# KiCad board main_display_board.kicad_pcb (continued)
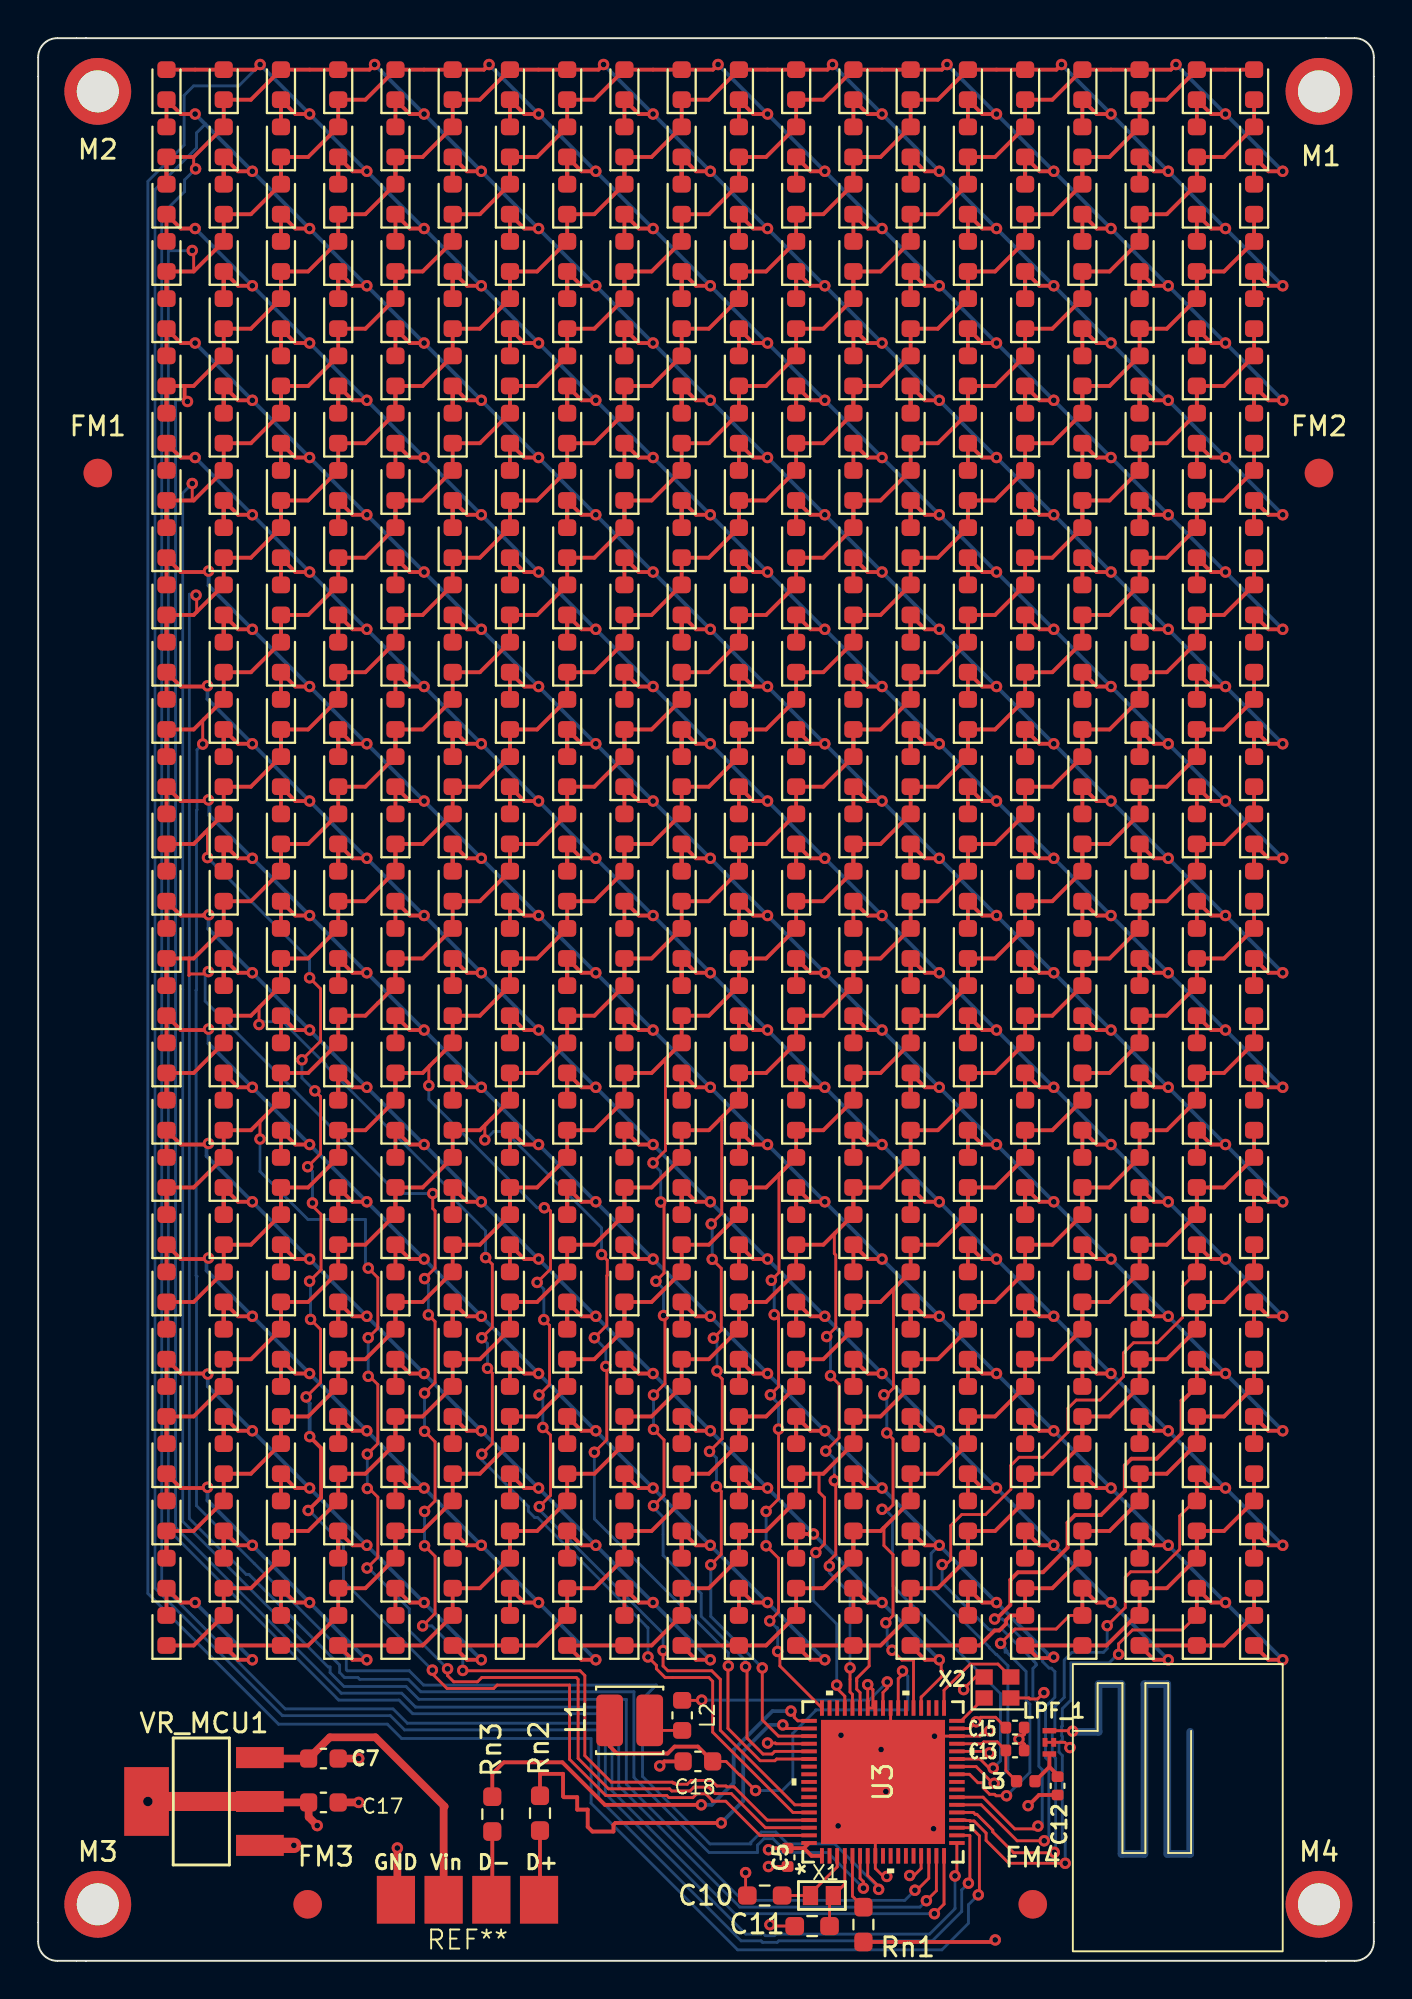
[diagram p0: board, top side]
## Routing (per net, layer and track width the routed paths; a pad name or vN(x,y) marks a point on that pad's centre or on a via; arc(x,y) is an arc through that point)
/3.3V_PHONE: length 31.7
  Top w0.15: v1(43.47,14.47) 43.72,14.22 43.75,14.22 43.75,13.38 U3.44 U3.45 v1(43.47,14.47) ; v1(43.47,14.47) 43.52,14.52 ; v1(45.68,4.47) 45.91,4.47 46.27,4.84 U3.14 ; v1(49.85,10.9) 49.6,10.9 49.52,10.97 U3.30 ; U3.33 48.81,12.17 v1(49.16,12.53) 49.4,12.76 50.17,12.76 C15.2 ; v1(38.23,11.41) 38.63,11.41 38.67,11.37 U3.55
  Top w0.2: 41.07,5.5 40.53,5.5 40.13,5.9 ; Rn1.1 50.1,0.99 50.12,0.96 ; 40.13,5.9 40.4,6.17 ; 40.13,5.9 C5.1 38.35,5.9 v1(38.27,5.82)
  Top w0.4: v1(14.62,7.09) 14.17,7.54 C17.1 11.67,8.3 VR_MCU1.2
  Top w1: VR_MCU1.2 v2(5.75,8.35) VR_MCU1.4
  vias: v1(50.16,1.1)
GND: length 36
  Top w0.15: LPF_1.2 LPF_1.4 53.8,11.45 v1(54.07,11.18) ; U3.69 46.68,11.78 U3.32 49.38,11.78 ; U3.69 44.67,9.77 U3.42 ; U3.69 43.88,8.98 U3.8 43.88,4.84 44.29,4.42 44.62,4.42 ; v1(52.71,14.05) 52.38,13.72 51.98,13.72 51.92,13.78 X2.2 ; 48.48,14.22 49.13,14.88 X2.4 ; 38.2,4.94 v1(38.27,4.94) C5.2 ; v1(38.35,1.89) 38.42,1.82 C11.2 ; v1(37.07,4.62) 37.07,3.51 C10.2
  Top w0.2: C13.2 51.68,11.34 v1(51.4,11.61) 51.68,11.89 C15.1 ; C12.2 52.45,8.69 51.87,8.11 ; C18.2 32.81,10.45 v1(32.57,10.21) ; v1(49.86,12.05) 49.6,12.05 49.35,11.8 ; 18.82,3.22 18.8,3.2
  Top w0.4: 15.73,10.6 v1(16.8,10.6) ; 18.8,5.84 18.82,5.86 ; 18.8,5.89 v1(18.82,5.91) 18.82,3.28 REF**.1 ; 15.73,8.3 v1(16.8,8.3)
  Top w0.8: VR_MCU1.1 v1(13.4,6.05)
  vias: v1(41.93,7.07) v1(42.07,11.82) v1(44.18,11.07) v1(44.43,8.87) v1(44.48,4.42) v1(46.98,11.77) v1(46.93,6.92) v1(48.5,14.21) v1(51.88,8.13)
/ANTENNA: length 42.9
  Top w0.15: v1(54.22,12.03) 54.19,12.06 LPF_1.3
  Bottom w0.4: 60.37,12 60.37,5.6 59.18,5.6 59.18,14.5 57.98,14.5 57.98,5.6 56.77,5.6 56.77,14.5 55.57,14.5 55.57,12 54.27,12
/HSE_IN: length 5.3
  Top w0.15: X2.3 50.3,15.55 48.85,15.55 47.47,14.18 U3.35
/HSE_OUT: length 1.9
  Top w0.15: X2.1 48.37,12.57 U3.34
/LSE_IN: length 4.1
  Top w0.15: U3.3 41.87,4.92 40.48,3.52 X1.2 C10.1
/LSE_OUT: length 4
  Top w0.15: U3.4 42.27,4.02 X1.1 41.48,3.22 C11.1
/Matching_Network: length 2.4
  Top w0.2: 53,10.16 53.43,9.74 C12.1 ; 53,10.16 L3.2 ; 53,10.16 LPF_1.1
/RF1: length 4.6
  Top w0.15: L3.1 50.71,9.97 C13.1 50.27,11.47 49.56,11.47 49.46,11.37 U3.31
/SMPSFB: length 26.6
  Top w0.15: v1(45.3,15.19) 45.3,15.01 45.08,14.78 U3.41 ; v1(37.6,8.92) 36.77,9.75 36.75,9.75 36.05,10.45 C18.1 ; 29.48,11.62 29.48,12.6
  Top w0.2: C18.1 34.57,11.23 33.35,11.23 32.99,10.86 30.34,10.86 29.95,11.25 L1.2
  Bottom w0.15: v1(37.6,8.92) 39,8.92 39.55,9.47 39.55,11.92 40.75,13.12 40.75,13.15 45.57,13.15 45.57,14.91 v1(45.3,15.19)
/SMPSLX: length 12.8
  Top w0.15: v1(44.5,14.61) 44.5,14.29 44.27,14.06 U3.43 ; L2.1 34.76,13.65 v1(34.77,13.66)
  Bottom w0.15: v1(34.77,13.66) 43.55,13.66 v1(44.5,14.61) 44.27,14.61
/SMPSLXL: length 1.9
  Top w0.15: L1.1 32.57,12.08 L2.2
/USB_BOOT0: length 2.9
  Top w0.15: U3.5 42.68,3.39 Rn1.2
/USB_M_IN_5V: length 16.6
  Top w0.4: REF**.2 21.25,8.04 21.3,8.09 17.67,11.71 15.29,11.71 C7.1 11.67,10.6 VR_MCU1.3
LED_0: length 247.5
  Top w0.15: 46.05,3.7 46.68,4.33 U3.15 ; v1(8.07,77.41) 8.07,76.6 8.15,76.53
  Top w0.2: v1(62.23,72.78) 61.48,72.78 REF**199.1 REF**197.2 ; REF**152.2 51.73,82.56 REF**152.2 ; REF**152.2 REF**110.1 52.48,81.78 v1(53.23,81.78) ; REF**108.2 45.73,88.56 REF**108.2 ; REF**108.2 REF**66.1 46.48,87.78 v1(47.23,87.78) ; REF**153.2 REF**155.1 55.48,78.78 v1(56.23,78.78) ; v1(35.63,99.37) 35.36,99.1 REF**20.2 REF**19.2 29.15,97.53 REF**16.1 REF**14.2 26.15,94.53 REF**13.1 REF**55.2 ; REF**196.2 57.73,76.56 REF**196.2 ; REF**196.2 REF**154.1 58.48,75.78 v1(59.23,75.78) ; REF**65.2 REF**67.1 43.48,90.78 v1(44.23,90.78) ; v1(65.22,69.78) 64.47,69.78 REF**198.1 REF**240.2 ; REF**55.2 23.15,91.53 REF**52.1 REF**50.2 20.15,88.53 REF**49.1 REF**91.2 ; REF**55.2 24.73,94.56 ; REF**21.2 REF**23.1 37.48,96.78 v1(38.23,96.78) ; REF**64.2 39.73,94.56 REF**64.2 ; REF**64.2 REF**22.1 40.48,93.78 v1(41.23,93.78) ; REF**127.2 11.15,79.53 REF**124.1 REF**122.2 8.15,76.53 REF**121.1 REF**163.2 6.73,76.56 ; REF**127.2 12.73,82.56 ; REF**127.2 REF**85.1 14.15,82.53 REF**86.2 REF**88.1 17.15,85.53 REF**91.2 ; REF**91.2 18.73,88.56 ; v1(50.23,84.78) 49.48,84.78 REF**111.1 REF**109.2 ; REF**240.2 63.73,70.56 REF**240.2
  Bottom w0.15: v1(8.07,77.41) 7.57,76.91 7.57,50.91 7.57,23.03 15.2,15.4 15.3,15.4 15.3,15.11 16.03,14.38 19.28,14.38 19.95,13.7 30.82,13.7 30.82,9.26 36.91,3.17 45.42,3.17 v1(45.95,3.7)
  Bottom w0.2: v1(65.22,69.78) v1(62.23,72.78) v1(59.23,75.78) v1(56.23,78.78) v1(53.23,81.78) v1(50.23,84.78) v1(47.23,87.78) v1(44.23,90.78) v1(41.23,93.78) v1(38.23,96.78) v1(35.63,99.37)
LED_1: length 260
  Top w0.15: U3.16 47.07,3.67 v1(46.55,3.15)
  Top w0.2: REF**148.2 45.73,82.56 REF**148.2 ; REF**148.2 REF**106.1 46.48,81.78 v1(47.23,81.78) ; REF**87.2 REF**45.1 14.15,88.53 REF**46.2 REF**48.1 17.15,91.53 REF**51.2 ; REF**87.2 11.15,85.53 REF**84.1 REF**82.2 8.15,82.53 7.67,82.53 ; REF**87.2 12.73,88.56 ; v1(32.23,96.78) 31.48,96.78 REF**19.1 REF**17.2 ; REF**280.2 REF**238.1 64.47,63.78 v1(65.22,63.78) ; REF**280.2 63.73,64.56 REF**280.2 ; REF**280.2 63.74,63.11 ; REF**192.2 51.73,76.56 REF**192.2 ; REF**192.2 REF**150.1 52.48,75.78 v1(53.23,75.78) ; REF**51.2 18.73,94.56 ; REF**51.2 REF**9.1 20.15,94.53 REF**10.2 REF**12.1 23.15,97.53 REF**15.2 REF**16.2 29.36,99.1 v1(29.63,99.37) ; v1(7.82,81.71) 7.67,81.86 7.67,82.53 ; REF**236.2 REF**194.1 58.48,69.78 v1(59.23,69.78) ; REF**236.2 57.73,70.56 REF**236.2 ; REF**149.2 REF**151.1 49.48,78.78 v1(50.23,78.78) ; 6.73,82.56 REF**123.2 REF**81.1 7.67,82.53 ; v1(62.23,66.78) 61.48,66.78 REF**239.1 REF**237.2 ; REF**105.2 REF**107.1 43.48,84.78 v1(44.23,84.78) ; REF**61.2 REF**63.1 37.48,90.78 v1(38.23,90.78) ; REF**104.2 REF**62.1 40.48,87.78 v1(41.23,87.78) ; REF**104.2 39.73,88.56 REF**104.2 ; REF**60.2 33.73,94.56 REF**60.2 ; REF**60.2 REF**18.1 34.48,93.78 v1(35.23,93.78) ; v1(56.23,72.78) 55.48,72.78 REF**195.1 REF**193.2
  Bottom w0.15: 7.2,81.81 7.2,22.71 15.89,14.03 19.05,14.03 19.78,13.3 30.43,13.3 30.43,9.16 36.77,2.82 46.22,2.82 v1(46.55,3.15)
  Bottom w0.2: v1(65.22,63.78) v1(62.23,66.78) v1(59.23,69.78) v1(56.23,72.78) v1(53.23,75.78) v1(50.23,78.78) v1(47.23,81.78) v1(44.23,84.78) v1(41.23,87.78) v1(38.23,90.78) v1(35.23,93.78) v1(32.23,96.78) v1(29.63,99.37) ; 7.2,81.81 7.73,81.81 v1(7.82,81.71)
LED_2: length 276.4
  Top w0.15: v1(8.07,89.62) 8.15,89.55 8.15,88.53 ; U3.17 47.47,2.97 v1(46.97,2.47)
  Top w0.2: v1(32.23,90.78) 31.48,90.78 REF**59.1 REF**57.2 ; REF**320.2 63.73,58.56 REF**320.2 ; REF**320.2 REF**278.1 64.47,57.78 v1(65.22,57.78) ; v1(44.23,78.78) 43.48,78.78 REF**147.1 REF**145.2 ; REF**56.2 27.73,94.56 REF**56.2 ; REF**56.2 REF**14.1 28.48,93.78 v1(29.23,93.78) ; REF**47.2 REF**5.1 14.15,94.53 REF**6.2 REF**8.1 17.15,97.53 REF**11.2 REF**12.2 23.36,99.1 v1(23.63,99.37) ; REF**47.2 12.73,94.56 ; REF**47.2 11.15,91.53 REF**44.1 REF**42.2 8.15,88.53 REF**41.1 REF**83.2 6.73,88.56 ; REF**100.2 REF**58.1 34.48,87.78 v1(35.23,87.78) ; REF**100.2 33.73,88.56 REF**100.2 ; REF**232.2 REF**190.1 52.48,69.78 v1(53.23,69.78) ; REF**232.2 51.73,70.56 REF**232.2 ; REF**144.2 39.73,82.56 REF**144.2 ; REF**144.2 REF**102.1 40.48,81.78 v1(41.23,81.78) ; REF**277.2 REF**279.1 61.48,60.78 v1(62.23,60.78) ; v1(26.23,96.78) 25.48,96.78 REF**15.1 REF**13.2 ; REF**189.2 REF**191.1 49.48,72.78 v1(50.23,72.78) ; REF**188.2 45.73,76.56 REF**188.2 ; REF**188.2 REF**146.1 46.48,75.78 v1(47.23,75.78) ; REF**276.2 57.73,64.56 REF**276.2 ; REF**276.2 REF**234.1 58.48,63.78 v1(59.23,63.78) ; REF**101.2 REF**103.1 37.48,84.78 v1(38.23,84.78) ; v1(56.23,66.78) 55.48,66.78 REF**235.1 REF**233.2
  Bottom w0.15: 8.1,89.65 v1(8.07,89.62) 8.06,89.61 6.82,89.61 6.82,22.59 15.75,13.66 18.91,13.66 19.63,12.95 30.07,12.95 30.07,8.91 36.52,2.47 v1(46.97,2.47)
  Bottom w0.2: v1(65.22,57.78) v1(62.23,60.78) v1(59.23,63.78) v1(56.23,66.78) v1(53.23,69.78) v1(50.23,72.78) v1(47.23,75.78) v1(44.23,78.78) v1(41.23,81.78) v1(38.23,84.78) v1(35.23,87.78) v1(32.23,90.78) v1(29.23,93.78) v1(26.23,96.78) v1(23.63,99.37)
LED_3: length 290.2
  Top w0.15: v1(8.25,93.9) 8.15,94 8.15,94.53 ; v1(48.05,4.45) 48.15,4.55 U3.18
  Top w0.2: v1(53.23,63.78) 52.48,63.78 REF**230.1 REF**272.2 ; v1(41.23,75.78) 40.48,75.78 REF**142.1 REF**184.2 ; v1(20.23,96.78) 19.48,96.78 REF**11.1 REF**9.2 ; REF**360.2 63.73,52.56 REF**360.2 ; REF**360.2 REF**318.1 64.47,51.78 v1(65.22,51.78) ; REF**52.2 21.73,94.56 REF**52.2 ; REF**52.2 REF**10.1 22.48,93.78 v1(23.23,93.78) ; REF**96.2 27.73,88.56 REF**96.2 ; REF**96.2 REF**54.1 28.48,87.78 v1(29.23,87.78) ; v1(35.23,81.78) 34.48,81.78 REF**98.1 REF**140.2 ; REF**185.2 REF**187.1 43.48,72.78 v1(44.23,72.78) ; REF**141.2 REF**143.1 37.48,78.78 v1(38.23,78.78) ; REF**272.2 51.73,64.56 REF**272.2 ; REF**316.2 57.73,58.56 REF**316.2 ; REF**316.2 REF**274.1 58.48,57.78 v1(59.23,57.78) ; REF**140.2 33.73,82.56 REF**140.2 ; REF**184.2 39.73,76.56 REF**184.2 ; v1(56.23,60.78) 55.48,60.78 REF**275.1 REF**273.2 ; v1(50.23,66.78) 49.48,66.78 REF**231.1 REF**229.2 ; REF**53.2 REF**55.1 25.48,90.78 v1(26.23,90.78) ; REF**97.2 REF**99.1 31.48,84.78 v1(32.23,84.78) ; REF**228.2 45.73,70.56 REF**228.2 ; REF**228.2 REF**186.1 46.48,69.78 v1(47.23,69.78) ; 6.73,94.56 REF**43.2 REF**1.1 8.15,94.53 REF**2.2 REF**4.1 11.15,97.53 REF**7.2 REF**8.2 17.36,99.1 v1(17.63,99.37) ; REF**317.2 REF**319.1 61.48,54.78 v1(62.23,54.78)
  Bottom w0.15: v1(48.05,4.45) 48.05,2.73 46.72,1.4 38.67,1.4 38.59,1.32 38.11,1.32 37.96,1.47 37.88,1.4 37.09,1.4 29.73,8.76 29.73,12.45 19.35,12.45 18.6,13.2 12.95,13.2 6.47,19.68 6.47,91.51 7.67,92.71 7.67,93.33 v1(8.25,93.9)
  Bottom w0.2: v1(65.22,51.78) v1(62.23,54.78) v1(59.23,57.78) v1(56.23,60.78) v1(53.23,63.78) v1(50.23,66.78) v1(47.23,69.78) v1(44.23,72.78) v1(41.23,75.78) v1(38.23,78.78) v1(35.23,81.78) v1(32.23,84.78) v1(29.23,87.78) v1(26.23,90.78) v1(23.23,93.78) v1(20.23,96.78) v1(17.63,99.37)
LED_4: length 310.1
  Top w0.15: U3.19 48.81,6.58 48.83,6.55 48.83,4.14 v1(48.75,4.07)
  Top w0.2: REF**176.2 REF**134.1 28.48,75.78 v1(29.23,75.78) ; REF**176.2 27.73,76.56 REF**176.2 ; v1(50.23,54.78) 49.48,54.78 REF**311.1 REF**309.2 ; REF**221.2 REF**223.1 37.48,66.78 v1(38.23,66.78) ; v1(26.23,78.78) 25.48,78.78 REF**135.1 REF**133.2 ; REF**352.2 51.73,52.56 REF**352.2 ; REF**352.2 REF**310.1 52.48,51.78 v1(53.23,51.78) ; REF**265.2 REF**267.1 43.48,60.78 v1(44.23,60.78) ; REF**88.2 15.73,88.56 REF**88.2 ; REF**88.2 REF**46.1 16.48,87.78 v1(17.23,87.78) ; REF**45.2 REF**47.1 13.48,90.78 v1(14.23,90.78) ; REF**396.2 57.73,46.56 REF**396.2 ; REF**396.2 REF**354.1 58.48,45.78 v1(59.23,45.78) ; v1(41.23,63.78) 40.48,63.78 REF**222.1 REF**264.2 ; REF**177.2 REF**179.1 31.48,72.78 v1(32.23,72.78) ; REF**44.2 9.73,94.56 REF**44.2 ; REF**44.2 REF**2.1 10.48,93.78 v1(11.23,93.78) ; v1(23.23,81.78) 22.48,81.78 REF**90.1 REF**132.2 ; REF**440.2 63.73,40.56 REF**440.2 ; REF**440.2 REF**398.1 64.47,39.78 v1(65.22,39.78) ; REF**264.2 39.73,64.56 REF**264.2 ; v1(20.23,84.78) 19.48,84.78 REF**91.1 REF**89.2 ; REF**220.2 33.73,70.56 REF**220.2 ; REF**220.2 REF**178.1 34.48,69.78 v1(35.23,69.78) ; REF**308.2 45.73,58.56 REF**308.2 ; REF**308.2 REF**266.1 46.48,57.78 v1(47.23,57.78) ; REF**1.2 REF**3.1 7.48,96.78 v1(8.23,96.78) ; v1(62.23,42.78) 61.48,42.78 REF**399.1 REF**397.2 ; v1(56.23,48.78) 55.48,48.78 REF**355.1 REF**353.2 ; REF**132.2 21.73,82.56 REF**132.2
  Bottom w0.15: v1(48.75,4.07) 48.4,3.72 48.4,2.59 46.86,1.05 38.81,1.05 38.73,0.97 37.97,0.97 37.88,1.05 36.84,1.05 29.37,8.51 29.37,12.1 19.2,12.1 18.45,12.85 12.8,12.85 6.12,19.53 6.12,92.82 8.3,95 8.3,95.79 8.76,96.24 ; 8.3,96.7 v1(8.23,96.78)
  Bottom w0.2: v1(65.22,39.78) v1(62.23,42.78) v1(59.23,45.78) v1(56.23,48.78) v1(53.23,51.78) v1(50.23,54.78) v1(47.23,57.78) v1(44.23,60.78) v1(41.23,63.78) v1(38.23,66.78) v1(35.23,69.78) v1(32.23,72.78) v1(29.23,75.78) v1(26.23,78.78) v1(23.23,81.78) v1(20.23,84.78) v1(17.23,87.78) v1(14.23,90.78) v1(11.23,93.78) v1(8.23,96.78)
LED_5: length 308.8
  Top w0.15: v1(49.27,3.46) 49.33,3.52 49.33,6.55 48.9,6.97 U3.20
  Top w0.2: v1(14.23,96.78) 13.48,96.78 REF**7.1 REF**5.2 ; REF**400.2 63.73,46.56 REF**400.2 ; REF**400.2 REF**358.1 64.47,45.78 v1(65.22,45.78) ; REF**180.2 33.73,76.56 REF**180.2 ; REF**180.2 REF**138.1 34.48,75.78 v1(35.23,75.78) ; REF**48.2 REF**6.1 16.48,93.78 v1(17.23,93.78) ; REF**48.2 15.73,94.56 REF**48.2 ; REF**312.2 51.73,58.56 REF**312.2 ; REF**312.2 REF**270.1 52.48,57.78 v1(53.23,57.78) ; v1(62.23,48.78) 61.48,48.78 REF**359.1 REF**357.2 ; v1(38.23,72.78) 37.48,72.78 REF**183.1 REF**181.2 ; v1(32.23,78.78) 31.48,78.78 REF**139.1 REF**137.2 ; v1(47.23,63.78) 46.48,63.78 REF**226.1 REF**268.2 ; REF**225.2 REF**227.1 43.48,66.78 v1(44.23,66.78) ; REF**93.2 REF**95.1 25.48,84.78 v1(26.23,84.78) ; REF**92.2 21.73,88.56 REF**92.2 ; REF**92.2 REF**50.1 22.48,87.78 v1(23.23,87.78) ; REF**3.2 REF**4.2 11.36,99.1 v1(11.63,99.37) ; REF**224.2 39.73,70.56 REF**224.2 ; REF**224.2 REF**182.1 40.48,69.78 v1(41.23,69.78) ; REF**356.2 REF**314.1 58.48,51.78 v1(59.23,51.78) ; REF**356.2 57.73,52.56 REF**356.2 ; v1(56.23,54.78) 55.48,54.78 REF**315.1 REF**313.2 ; REF**136.2 REF**94.1 28.48,81.78 v1(29.23,81.78) ; REF**136.2 27.73,82.56 REF**136.2 ; v1(50.23,60.78) 49.48,60.78 REF**271.1 REF**269.2 ; v1(20.23,90.78) 19.48,90.78 REF**51.1 REF**49.2 ; REF**268.2 45.73,64.56 REF**268.2
  Bottom w0.15: v1(11.63,99.37) 10.51,98.25 8.15,98.25 7.65,97.75 7.65,95.15 5.75,93.25 5.75,19.25 12.6,12.4 18.3,12.4 19.05,11.65 28.98,11.65 28.98,8.26 36.66,0.58 47.36,0.58 48.75,1.97 48.75,2.94 v1(49.27,3.46)
  Bottom w0.2: v1(65.22,45.78) v1(62.23,48.78) v1(59.23,51.78) v1(56.23,54.78) v1(53.23,57.78) v1(50.23,60.78) v1(47.23,63.78) v1(44.23,66.78) v1(41.23,69.78) v1(38.23,72.78) v1(35.23,75.78) v1(32.23,78.78) v1(29.23,81.78) v1(26.23,84.78) v1(23.23,87.78) v1(20.23,90.78) v1(17.23,93.78) v1(14.23,96.78) v1(11.63,99.37)
LED_6: length 196.3
  Top w0.15: v1(53.82,5.11) 50.87,5.11 49.68,6.31 49.68,6.7 49.05,7.33 48.83,7.33 48.83,7.35 48.63,7.35 48.61,7.38 U3.21 ; v1(56.62,16.06) 56.62,16.61 57.35,17.34 59.96,17.34 REF**9995.2
  Top w0.2: v1(65.22,15.78) 64.47,15.78 REF**9997.1 ; v1(32.23,48.78) 31.48,48.78 REF**339.1 REF**337.2 ; REF**380.2 REF**338.1 34.48,45.78 v1(35.23,45.78) ; REF**380.2 33.73,46.56 REF**380.2 ; REF**292.2 21.73,58.56 REF**292.2 ; REF**292.2 REF**250.1 22.48,57.78 v1(23.23,57.78) ; v1(59.23,21.78) 58.48,21.78 REF**514.1 REF**556.2 ; REF**161.2 REF**163.1 7.48,72.78 8.88,72.78 ; REF**424.2 39.73,40.56 REF**424.2 ; REF**424.2 REF**382.1 40.48,39.78 v1(41.23,39.78) ; REF**336.2 27.73,52.56 REF**336.2 ; REF**336.2 REF**294.1 28.48,51.78 v1(29.23,51.78) ; v1(56.23,24.78) 55.48,24.78 REF**515.1 REF**513.2 ; v1(50.23,30.78) 49.48,30.78 REF**471.1 REF**469.2 ; REF**204.2 9.73,70.56 REF**204.2 ; REF**204.2 REF**162.1 10.48,69.78 v1(11.23,69.78) ; REF**512.2 51.73,28.56 REF**512.2 ; REF**512.2 REF**470.1 52.48,27.78 v1(53.23,27.78) ; v1(44.23,36.78) 43.48,36.78 REF**427.1 REF**425.2 ; v1(38.23,42.78) 37.48,42.78 REF**383.1 REF**381.2 ; v1(26.23,54.78) 25.48,54.78 REF**295.1 REF**293.2 ; REF**9995.2 REF**9999.1 61.48,18.78 v1(62.23,18.78) ; REF**248.2 15.73,64.56 REF**248.2 ; REF**248.2 REF**206.1 16.48,63.78 v1(17.23,63.78) ; REF**468.2 45.73,34.56 REF**468.2 ; REF**468.2 REF**426.1 46.48,33.78 v1(47.23,33.78) ; v1(14.23,66.78) 13.48,66.78 REF**207.1 REF**205.2 ; REF**249.2 REF**251.1 19.48,60.78 v1(20.23,60.78) ; REF**556.2 57.73,22.56 REF**556.2
  Bottom w0.15: 56.57,16.06 56.12,15.61 54.12,15.61 54.12,13.66 53.68,13.21 53.68,12.31 53.64,12.27 53.64,11.8 53.68,11.76 53.68,11.59 53.5,11.41 53.5,10.94 53.68,10.76 53.68,6.38 53.82,6.22 v1(53.82,5.11)
  Bottom w0.2: v1(65.22,15.78) v1(62.23,18.78) v1(59.23,21.78) v1(56.23,24.78) v1(53.23,27.78) v1(50.23,30.78) v1(47.23,33.78) v1(44.23,36.78) v1(41.23,39.78) v1(38.23,42.78) v1(35.23,45.78) v1(32.23,48.78) v1(29.23,51.78) v1(26.23,54.78) v1(23.23,57.78) v1(20.23,60.78) v1(17.23,63.78) v1(14.23,66.78) v1(11.23,69.78) 8.93,72.07 v1(8.93,72.82)
LED_7: length 204.1
  Top w0.15: v1(56.02,17.56) 56.97,18.51 56.97,20.1 57.26,20.39 58.65,20.39 59.82,21.56 59.82,23.31 60.61,24.1 REF**517.2 ; v1(53.25,5.69) 53.23,5.66 51.12,5.66 50.03,6.76 50.03,6.84 49.2,7.68 49.11,7.68 49.01,7.78 U3.22
  Top w0.2: v1(8.23,78.78) 7.48,78.78 REF**123.1 REF**121.2 ; REF**297.2 REF**299.1 31.48,54.78 v1(32.23,54.78) ; REF**384.2 39.73,46.56 REF**384.2 ; REF**384.2 REF**342.1 40.48,45.78 v1(41.23,45.78) ; REF**296.2 27.73,58.56 REF**296.2 ; REF**296.2 REF**254.1 28.48,57.78 v1(29.23,57.78) ; REF**208.2 15.73,70.56 REF**208.2 ; REF**208.2 REF**166.1 16.48,69.78 v1(17.23,69.78) ; v1(11.23,75.78) 10.48,75.78 REF**122.1 REF**164.2 ; REF**252.2 21.73,64.56 REF**252.2 ; REF**252.2 REF**210.1 22.48,63.78 v1(23.23,63.78) ; REF**517.2 REF**519.1 61.48,24.78 v1(62.23,24.78) ; REF**472.2 51.73,34.56 REF**472.2 ; REF**472.2 REF**430.1 52.48,33.78 v1(53.23,33.78) ; REF**164.2 9.73,76.56 REF**164.2 ; v1(65.22,21.78) 64.47,21.78 REF**518.1 REF**9998.2 ; REF**9998.2 63.73,22.56 REF**9998.2 ; v1(50.23,36.78) 49.48,36.78 REF**431.1 REF**429.2 ; REF**341.2 REF**343.1 37.48,48.78 v1(38.23,48.78) ; v1(26.23,60.78) 25.48,60.78 REF**255.1 REF**253.2 ; REF**340.2 33.73,52.56 REF**340.2 ; REF**340.2 REF**298.1 34.48,51.78 v1(35.23,51.78) ; REF**428.2 45.73,40.56 REF**428.2 ; REF**428.2 REF**386.1 46.48,39.78 v1(47.23,39.78) ; v1(14.23,72.78) 13.48,72.78 REF**167.1 REF**165.2 ; REF**516.2 57.73,28.56 REF**516.2 ; REF**516.2 REF**474.1 58.48,27.78 v1(59.23,27.78) ; v1(56.23,30.78) 55.48,30.78 REF**475.1 REF**473.2 ; REF**209.2 REF**211.1 19.48,66.78 v1(20.23,66.78) ; REF**385.2 REF**387.1 43.48,42.78 v1(44.23,42.78)
  Bottom w0.15: v1(56.02,17.56) 56.02,16.36 55.82,16.16 54.18,16.16 53.77,15.76 53.77,13.81 53.29,13.32 53.29,12.11 53.15,11.97 53.15,10.79 53.32,10.61 53.32,5.76 v1(53.25,5.69)
  Bottom w0.2: v1(65.22,21.78) v1(62.23,24.78) v1(59.23,27.78) v1(56.23,30.78) v1(53.23,33.78) v1(50.23,36.78) v1(47.23,39.78) v1(44.23,42.78) v1(41.23,45.78) v1(38.23,48.78) v1(35.23,51.78) v1(32.23,54.78) v1(29.23,57.78) v1(26.23,60.78) v1(23.23,63.78) v1(20.23,66.78) v1(17.23,69.78) v1(14.23,72.78) v1(11.23,75.78) v1(8.23,78.78)
LED_8: length 212.6
  Top w0.15: U3.23 49.42,8.18 51.31,6.29 v1(52.72,6.29)
  Top w0.2: v1(29.23,63.78) 28.48,63.78 REF**214.1 REF**256.2 ; v1(8.23,84.78) 7.48,84.78 REF**83.1 REF**81.2 ; REF**212.2 21.73,70.56 REF**212.2 ; REF**212.2 REF**170.1 22.48,69.78 v1(23.23,69.78) ; v1(44.23,48.78) 43.48,48.78 REF**347.1 REF**345.2 ; v1(47.23,45.78) 46.48,45.78 REF**346.1 REF**388.2 ; v1(50.12,17.91) 50.21,17.91 50.95,18.65 50.95,19.97 51.35,20.36 52.66,20.36 53.95,21.65 53.95,22.97 54.35,23.36 55.7,23.36 56.95,24.61 56.95,25.97 57.3,26.31 58.61,26.31 59.93,27.63 59.93,29.36 59.99,29.36 REF**477.2 REF**479.1 61.48,30.78 v1(62.23,30.78) ; REF**476.2 57.73,34.56 REF**476.2 ; REF**476.2 REF**434.1 58.48,33.78 v1(59.23,33.78) ; REF**388.2 45.73,46.56 REF**388.2 ; REF**256.2 27.73,64.56 REF**256.2 ; REF**168.2 15.73,76.56 REF**168.2 ; REF**168.2 REF**126.1 16.48,75.78 v1(17.23,75.78) ; v1(32.23,60.78) 31.48,60.78 REF**259.1 REF**257.2 ; REF**344.2 39.73,52.56 REF**344.2 ; REF**344.2 REF**302.1 40.48,51.78 v1(41.23,51.78) ; v1(26.23,66.78) 25.48,66.78 REF**215.1 REF**213.2 ; REF**301.2 REF**303.1 37.48,54.78 v1(38.23,54.78) ; v1(14.23,78.78) 13.48,78.78 REF**127.1 REF**125.2 ; v1(56.23,36.78) 55.48,36.78 REF**435.1 REF**433.2 ; REF**389.2 REF**391.1 49.48,42.78 v1(50.23,42.78) ; v1(20.23,72.78) 19.48,72.78 REF**171.1 REF**169.2 ; REF**300.2 REF**258.1 34.48,57.78 v1(35.23,57.78) ; REF**300.2 33.73,58.56 REF**300.2 ; v1(53.23,39.78) 52.48,39.78 REF**390.1 REF**432.2 ; REF**520.2 63.73,28.56 REF**520.2 ; REF**520.2 REF**478.1 64.47,27.78 v1(65.22,27.78) ; v1(11.23,81.78) 10.48,81.78 REF**82.1 REF**124.2 ; REF**432.2 51.73,40.56 REF**432.2 ; REF**124.2 9.73,82.56 REF**124.2
  Bottom w0.15: 50.18,17.91 50.52,17.91 52.55,15.89 52.55,15.83 52.64,15.74 52.64,15.68 52.98,15.34 53.1,15.34 53.29,15.15 53.29,13.82 52.94,13.47 52.94,13.47 52.8,13.33 52.8,10.64 52.97,10.47 52.97,6.54 v1(52.72,6.29) ; 8.07,84.78 v1(8.23,84.78)
  Bottom w0.2: v1(8.23,84.78) v1(11.23,81.78) v1(14.23,78.78) v1(17.23,75.78) v1(20.23,72.78) v1(23.23,69.78) v1(26.23,66.78) v1(29.23,63.78) v1(32.23,60.78) v1(35.23,57.78) v1(38.23,54.78) v1(41.23,51.78) v1(44.23,48.78) v1(47.23,45.78) v1(50.23,42.78) v1(53.23,39.78) v1(56.23,36.78) v1(59.23,33.78) v1(62.23,30.78) v1(65.22,27.78)
LED_9: length 220.1
  Top w0.15: REF**437.2 59.98,35.35 59.98,33.71 58.65,32.39 57.41,32.39 56.87,31.86 56.87,30.61 55.65,29.39 54.41,29.39 53.97,28.95 53.97,27.71 52.65,26.39 51.41,26.39 50.97,25.95 50.97,24.71 49.65,23.39 48.41,23.39 47.82,22.81 47.82,21.01 47.57,20.76 v1(47.37,20.76) ; U3.24 49.52,8.57 51.18,6.91 52.17,6.91 52.32,7.06 v1(52.4,7.06)
  Top w0.2: v1(50.23,48.78) 49.48,48.78 REF**351.1 REF**349.2 ; v1(8.23,90.78) 7.48,90.78 REF**43.1 REF**41.2 ; REF**437.2 REF**439.1 61.48,36.78 v1(62.23,36.78) ; REF**436.2 57.73,40.56 REF**436.2 ; REF**436.2 REF**394.1 58.48,39.78 v1(59.23,39.78) ; REF**304.2 REF**262.1 40.48,57.78 v1(41.23,57.78) ; REF**304.2 39.73,58.56 REF**304.2 ; REF**261.2 REF**263.1 37.48,60.78 v1(38.23,60.78) ; REF**128.2 15.73,82.56 REF**128.2 ; REF**128.2 REF**86.1 16.48,81.78 v1(17.23,81.78) ; v1(11.23,87.78) 10.48,87.78 REF**42.1 REF**84.2 ; v1(47.23,51.78) 46.48,51.78 REF**306.1 REF**348.2 ; v1(56.23,42.78) 55.48,42.78 REF**395.1 REF**393.2 ; REF**84.2 9.73,88.56 REF**84.2 ; REF**172.2 REF**130.1 22.48,75.78 v1(23.23,75.78) ; REF**172.2 21.73,76.56 REF**172.2 ; v1(32.23,66.78) 31.48,66.78 REF**219.1 REF**217.2 ; REF**216.2 REF**174.1 28.48,69.78 v1(29.23,69.78) ; REF**216.2 27.73,70.56 REF**216.2 ; REF**348.2 45.73,52.56 REF**348.2 ; REF**392.2 REF**350.1 52.48,45.78 v1(53.23,45.78) ; REF**392.2 51.73,46.56 REF**392.2 ; v1(35.23,63.78) 34.48,63.78 REF**218.1 REF**260.2 ; REF**305.2 REF**307.1 43.48,54.78 v1(44.23,54.78) ; v1(20.23,78.78) 19.48,78.78 REF**131.1 REF**129.2 ; REF**480.2 63.73,34.56 REF**480.2 ; REF**480.2 REF**438.1 64.47,33.78 v1(65.22,33.78) ; REF**260.2 33.73,64.56 REF**260.2 ; v1(26.23,72.78) 25.48,72.78 REF**175.1 REF**173.2 ; v1(14.23,84.78) 13.48,84.78 REF**87.1 REF**85.2
  Bottom w0.15: v1(47.37,20.76) 47.37,19.81 49.82,17.36 49.86,17.36 49.89,17.34 50.36,17.34 50.39,17.36 50.52,17.36 52.2,15.69 52.2,15.69 52.29,15.59 52.29,15.53 52.32,15.51 52.13,15.32 52.13,13.8 52.45,13.48 52.45,10.19 52.62,10.02 52.62,7.21 52.55,7.21 v1(52.4,7.06)
  Bottom w0.2: v1(8.23,90.78) v1(11.23,87.78) v1(14.23,84.78) v1(17.23,81.78) v1(20.23,78.78) v1(23.23,75.78) v1(26.23,72.78) v1(29.23,69.78) v1(32.23,66.78) v1(35.23,63.78) v1(38.23,60.78) v1(41.23,57.78) v1(44.23,54.78) v1(47.23,51.78) v1(50.23,48.78) v1(53.23,45.78) v1(56.23,42.78) v1(59.23,39.78) v1(62.23,36.78) v1(65.22,33.78)
LED_10: length 141.6
  Top w0.15: v1(38.34,17.81) 38.8,18.27 38.8,21.1 v1(38.15,21.75) ; 38.8,33.51 38.8,33.69 38.57,33.91 ; 38.8,33.51 38.8,30.09 v1(38.37,29.66) ; 38.8,33.51 38.8,33.64 v1(38.57,33.86) ; U3.51 38.87,15.45 38.87,16.09 v1(38.76,16.21) ; v1(38.8,27.86) 38.8,24.2 v1(38.15,23.55) ; v1(38.43,35.66) 38.82,36.06 38.82,41.2 38.86,41.23
  Top w0.2: REF**531.2 REF**489.1 20.15,22.53 REF**490.2 REF**492.1 23.15,25.53 REF**495.2 ; REF**531.2 17.15,19.53 REF**528.1 REF**526.2 14.15,16.53 REF**525.1 REF**522.1 10.48,15.78 v1(11.23,15.78) ; REF**531.2 18.73,22.56 ; REF**495.2 24.73,28.56 ; REF**495.2 REF**453.1 26.15,28.53 REF**454.2 REF**456.1 29.15,31.53 REF**459.2 ; REF**387.2 41.15,43.53 REF**384.1 REF**382.2 38.15,40.53 REF**381.1 REF**423.2 ; REF**387.2 42.73,46.56 ; REF**387.2 REF**345.1 44.15,46.53 REF**346.2 REF**348.1 47.15,49.53 REF**351.2 ; REF**459.2 30.73,34.56 ; REF**459.2 REF**417.1 32.15,34.53 REF**418.2 REF**420.1 35.15,37.53 REF**423.2 ; v1(8.23,18.78) 7.48,18.78 REF**523.1 REF**521.2 ; REF**315.2 53.15,55.53 REF**312.1 REF**310.2 50.15,52.53 REF**309.1 REF**351.2 ; REF**315.2 REF**273.1 56.15,58.53 REF**274.2 REF**276.1 59.15,61.53 REF**279.2 ; REF**315.2 54.73,58.56 ; REF**351.2 48.73,52.56 ; REF**423.2 36.73,40.56 ; REF**279.2 REF**237.1 62.15,64.53 REF**238.2 REF**240.1 ; REF**279.2 60.73,64.56
  Bottom w0.15: v1(38.37,29.66) 38.6,29.44 38.6,29.39 ; v1(38.34,17.81) 38.71,17.44 38.76,17.44 v1(38.76,16.21) ; 38.6,29.39 38.8,29.19 v1(38.8,27.86) ; 38.6,29.39 38.43,29.56 ; v1(38.43,35.66) 38.57,35.51 v1(38.57,33.86) ; v1(38.15,21.75) v1(38.15,23.55)
  Bottom w0.2: v1(8.23,18.78) v1(11.23,15.78)
LED_11: length 146.7
  Top w0.15: U3.54 38.8,11.78 37.95,12.62 v1(37.95,15.35) ; v1(35.39,32.63) 35.8,33.04 35.8,36.29 v1(35.32,36.76) ; 35.57,31.01 v1(35.57,30.91) 35.57,30.76 35.85,30.49 35.85,27.36 v1(35.18,26.69) ; v1(35.55,24.85) 35.8,24.6 35.8,21.3 v1(35.25,20.75) ; v1(35.27,38.61) 35.82,39.16 35.82,44.06 35.76,44.13
  Top w0.2: REF**311.2 47.15,55.53 REF**308.1 REF**306.2 44.15,52.53 REF**305.1 REF**347.2 ; REF**311.2 REF**269.1 50.15,58.53 REF**270.2 REF**272.1 53.15,61.53 REF**275.2 ; REF**311.2 48.73,58.56 ; REF**419.2 REF**377.1 32.15,40.53 REF**378.2 REF**380.1 35.15,43.53 REF**383.2 ; REF**419.2 29.15,37.53 REF**416.1 REF**414.2 26.15,34.53 REF**413.1 REF**455.2 ; REF**419.2 30.73,40.56 ; REF**239.2 59.15,67.53 REF**236.1 REF**234.2 56.15,64.53 REF**233.1 REF**275.2 ; REF**239.2 REF**197.1 62.15,70.53 REF**198.2 REF**200.1 ; REF**239.2 60.73,70.56 ; REF**455.2 24.73,34.56 ; REF**455.2 23.15,31.53 REF**452.1 REF**450.2 20.15,28.53 REF**449.1 REF**491.2 ; REF**491.2 17.15,25.53 REF**488.1 REF**486.2 14.15,22.53 REF**485.1 REF**527.2 ; REF**491.2 18.73,28.56 ; REF**521.1 8.15,16.53 REF**522.2 REF**524.1 11.15,19.53 REF**527.2 ; REF**275.2 54.73,64.56 ; REF**527.2 12.73,22.56 ; REF**383.2 REF**341.1 38.15,46.53 REF**342.2 REF**344.1 41.15,49.53 REF**347.2 ; REF**383.2 36.73,46.56 ; REF**347.2 42.73,52.56